# Altium PCB Transfer_V1_Pcb.PcbDoc (part 1 of 2) (continued)
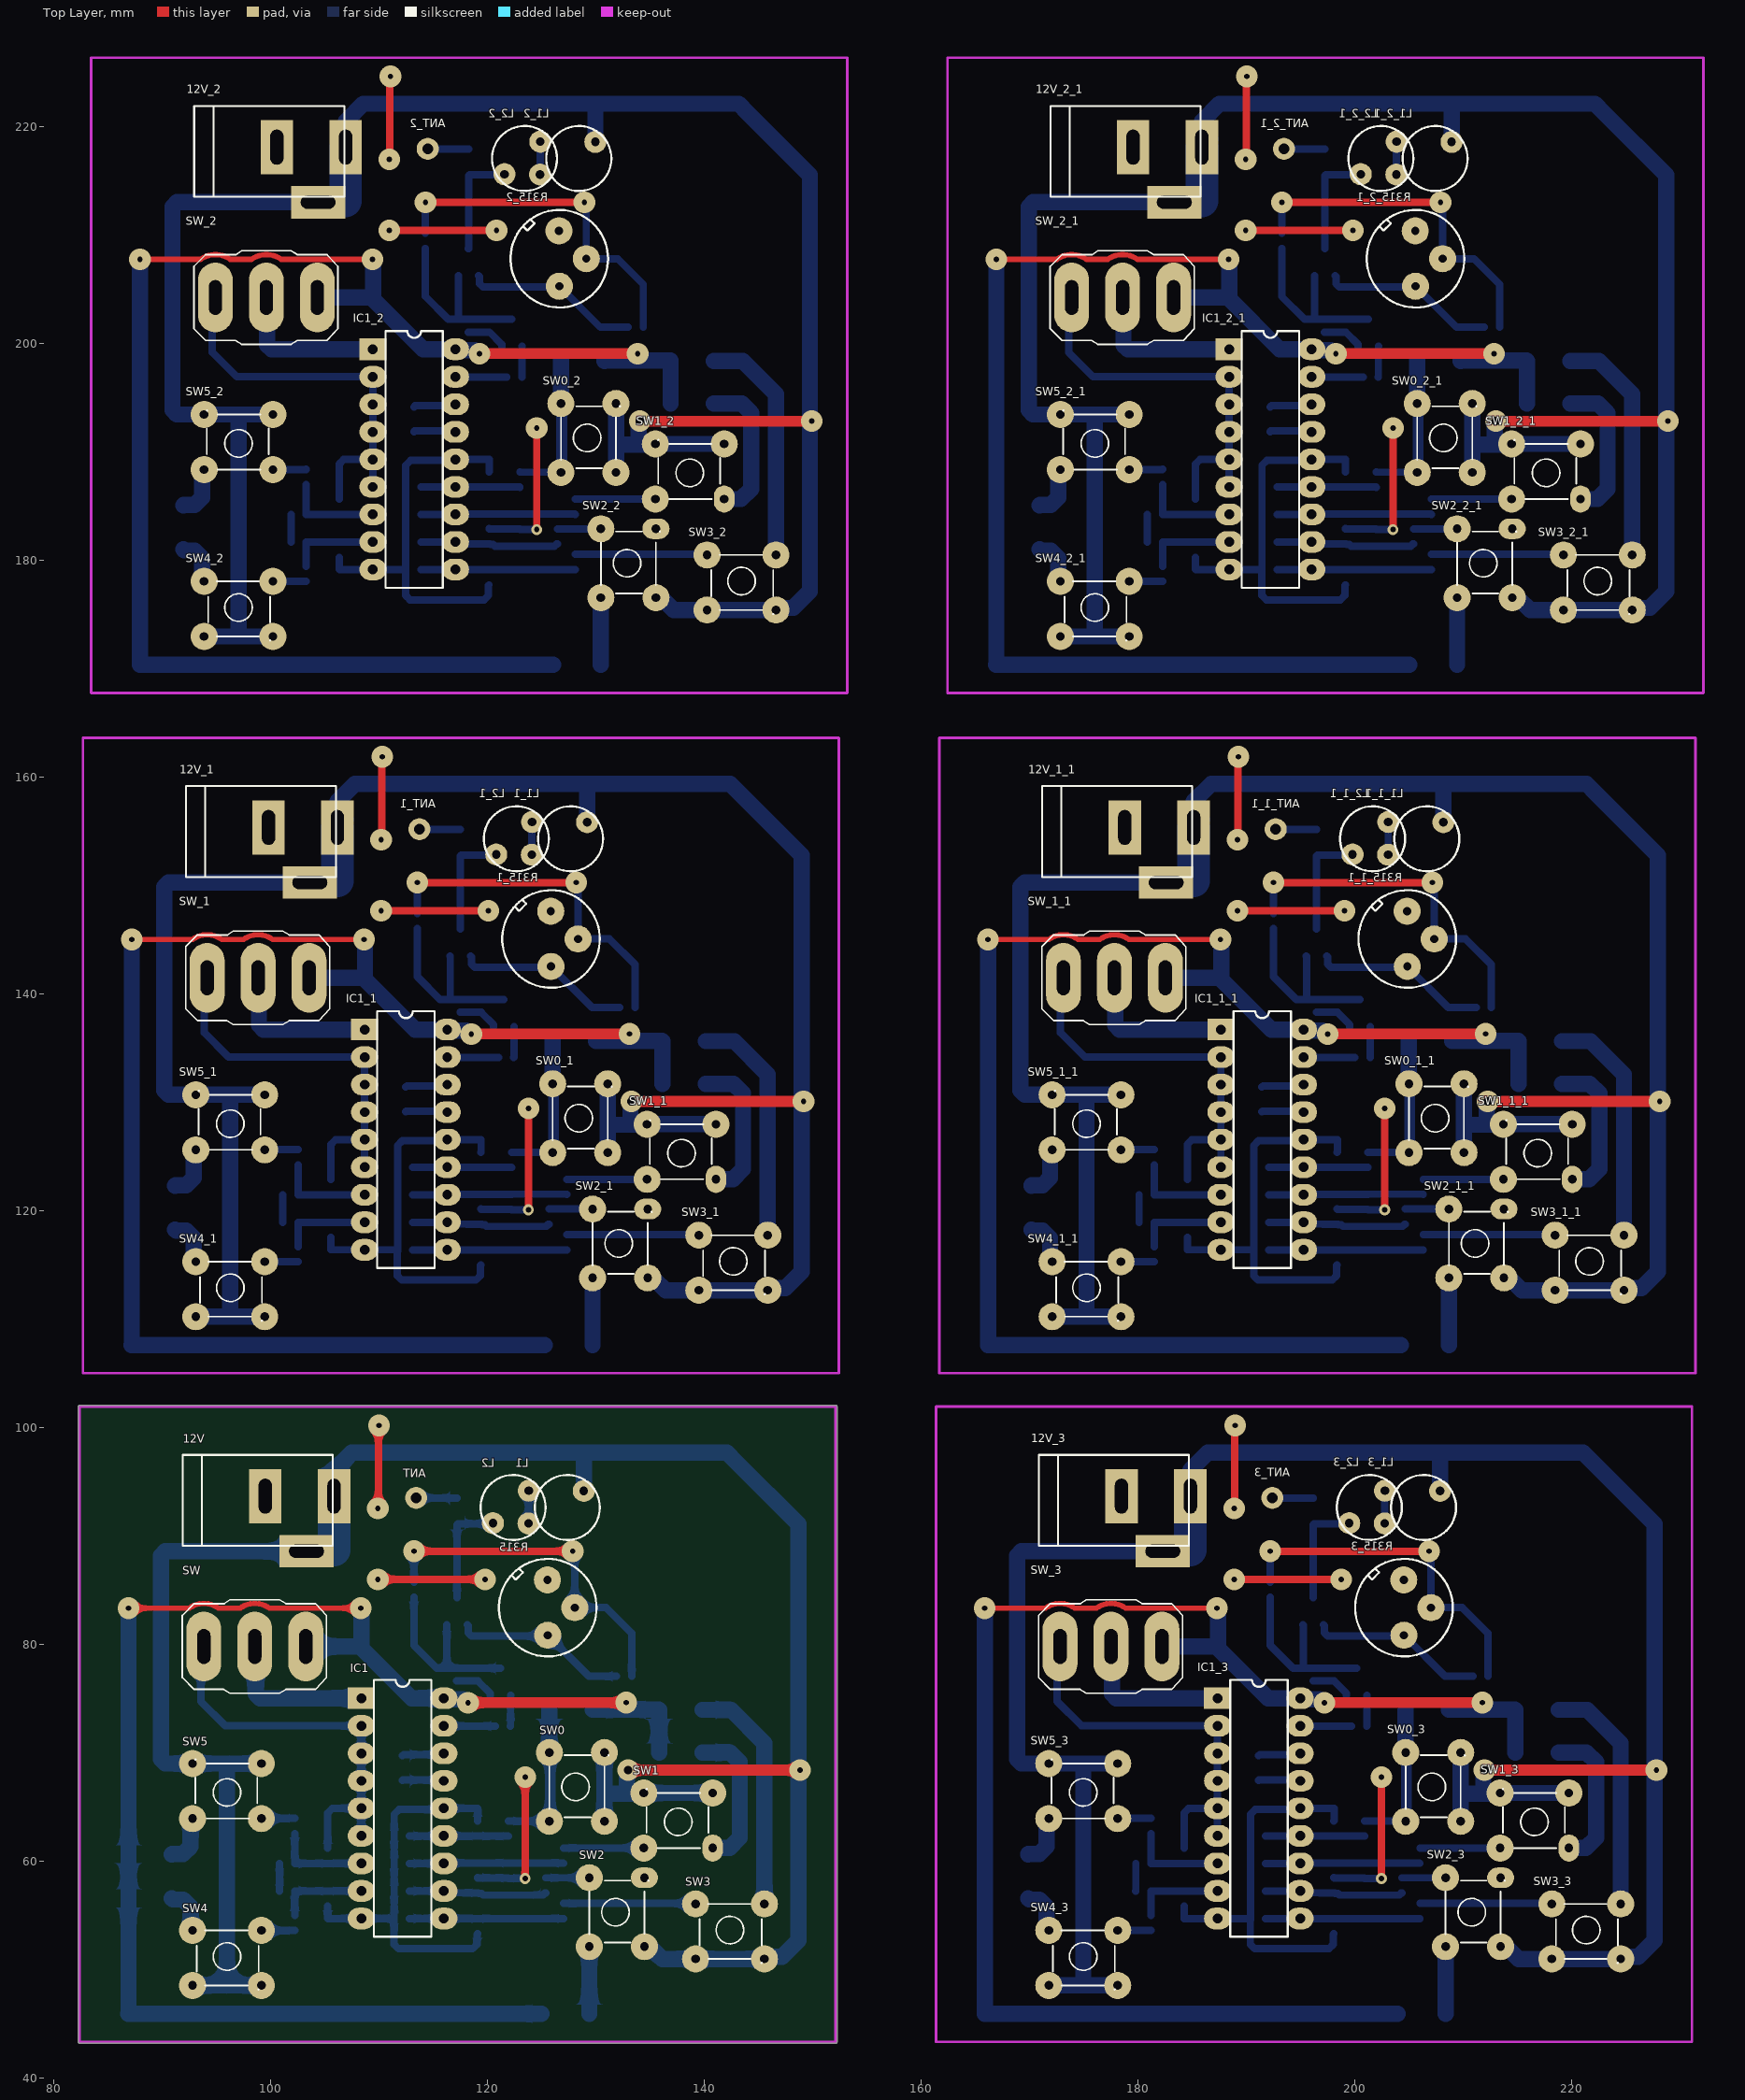
[diagram p0: Top Layer view]
## Components (designator, comment, footprint, x,y, rotation, side; value= is the part's Value field where it differs from the comment) (continued)
L1_1 "8T" L-DIP-M-5.3#1 127.686,154.305 r90 top value="150 mH" (schematic designator L1)
L1_1_1 "8T" L-DIP-M-5.3#1 206.68,154.305 r90 top value="150 mH" (schematic designator L1)
L1_2 "8T" L-DIP-M-5.3#1 128.448,217.068 r90 top value="150 mH" (schematic designator L1)
L1_2_1 "8T" L-DIP-M-5.3#1 207.442,217.068 r90 top value="150 mH" (schematic designator L1)
L1_3 "8T" L-DIP-M-5.3#1 206.375,92.608 r90 top value="150 mH" (schematic designator L1)
L2 "3T" L-DIP-M-5.3#2 122.377,92.608 r270 top value="150 mH"
L2_1 "3T" L-DIP-M-5.3#2 122.682,154.305 r270 top value="150 mH" (schematic designator L2)
L2_1_1 "3T" L-DIP-M-5.3#2 201.676,154.305 r270 top value="150 mH" (schematic designator L2)
L2_2 "3T" L-DIP-M-5.3#2 123.444,217.068 r270 top value="150 mH" (schematic designator L2)
L2_2_1 "3T" L-DIP-M-5.3#2 202.438,217.068 r270 top value="150 mH" (schematic designator L2)
L2_3 "3T" L-DIP-M-5.3#2 201.371,92.608 r270 top value="150 mH" (schematic designator L2)
Q1 "2SC3356" SOT23B 117.196,83.033 r180 bottom
Q1_1 "2SC3356" SOT23B 117.5,144.729 r180 bottom (schematic designator Q1)
Q1_1_1 "2SC3356" SOT23B 196.494,144.729 r180 bottom (schematic designator Q1)
Q1_2 "2SC3356" SOT23B 118.262,207.493 r180 bottom (schematic designator Q1)
Q1_2_1 "2SC3356" SOT23B 197.256,207.493 r180 bottom (schematic designator Q1)
Q1_3 "2SC3356" SOT23B 196.19,83.033 r180 bottom (schematic designator Q1)
Q2 "S8050" SOT23B 121.209,76.53 r180 bottom
Q2_1 "S8050" SOT23B 121.514,138.227 r180 bottom (schematic designator Q2)
Q2_1_1 "S8050" SOT23B 200.508,138.227 r180 bottom (schematic designator Q2)
Q2_2 "S8050" SOT23B 122.276,200.99 r180 bottom (schematic designator Q2)
Q2_2_1 "S8050" SOT23B 201.27,200.99 r180 bottom (schematic designator Q2)
Q2_3 "S8050" SOT23B 200.203,76.53 r180 bottom (schematic designator Q2)
R00 "27K" RES-SM-0603 133.313,77.038 r180 bottom
R00_1 "27K" RES-SM-0603 133.618,138.735 r180 bottom (schematic designator R00)
R00_1_1 "27K" RES-SM-0603 212.612,138.735 r180 bottom (schematic designator R00)
R00_2 "27K" RES-SM-0603 134.38,201.498 r180 bottom (schematic designator R00)
R00_2_1 "27K" RES-SM-0603 213.374,201.498 r180 bottom (schematic designator R00)
R00_3 "27K" RES-SM-0603 212.307,77.038 r180 bottom (schematic designator R00)
R01 "27K" RES-SM-0603 122.123,72.441 r180 bottom
R01_1 "27K" RES-SM-0603 122.428,134.137 r180 bottom (schematic designator R01)
R01_1_1 "27K" RES-SM-0603 201.422,134.137 r180 bottom (schematic designator R01)
R01_2 "27K" RES-SM-0603 123.19,196.901 r180 bottom (schematic designator R01)
R01_2_1 "27K" RES-SM-0603 202.184,196.901 r180 bottom (schematic designator R01)
R01_3 "27K" RES-SM-0603 201.117,72.441 r180 bottom (schematic designator R01)
R02 "RESISTOR SMD" RES-SM-0603 111.43,62.306 r0 bottom
R02_1 "RESISTOR SMD" RES-SM-0603 111.735,124.003 r0 bottom (schematic designator R02)
R02_1_1 "RESISTOR SMD" RES-SM-0603 190.729,124.003 r0 bottom (schematic designator R02)
R02_2 "RESISTOR SMD" RES-SM-0603 112.497,186.766 r0 bottom (schematic designator R02)
R02_2_1 "RESISTOR SMD" RES-SM-0603 191.491,186.766 r0 bottom (schematic designator R02)
R02_3 "RESISTOR SMD" RES-SM-0603 190.424,62.306 r0 bottom (schematic designator R02)
R03 "RESISTOR SMD" RES-SM-0603 111.43,59.766 r0 bottom
R03_1 "RESISTOR SMD" RES-SM-0603 111.735,121.463 r0 bottom (schematic designator R03)
R03_1_1 "RESISTOR SMD" RES-SM-0603 190.729,121.463 r0 bottom (schematic designator R03)
R03_2 "RESISTOR SMD" RES-SM-0603 112.497,184.226 r0 bottom (schematic designator R03)
R03_2_1 "RESISTOR SMD" RES-SM-0603 191.491,184.226 r0 bottom (schematic designator R03)
R03_3 "RESISTOR SMD" RES-SM-0603 190.424,59.766 r0 bottom (schematic designator R03)
R04 "RESISTOR SMD" RES-SM-0603 111.43,57.226 r0 bottom
R04_1 "RESISTOR SMD" RES-SM-0603 111.735,118.923 r0 bottom (schematic designator R04)
R04_1_1 "RESISTOR SMD" RES-SM-0603 190.729,118.923 r0 bottom (schematic designator R04)
R04_2 "RESISTOR SMD" RES-SM-0603 112.497,181.686 r0 bottom (schematic designator R04)
R04_2_1 "RESISTOR SMD" RES-SM-0603 191.491,181.686 r0 bottom (schematic designator R04)
R04_3 "RESISTOR SMD" RES-SM-0603 190.424,57.226 r0 bottom (schematic designator R04)
R05 "RESISTOR SMD" RES-SM-0603 111.43,54.686 r0 bottom
R05_1 "RESISTOR SMD" RES-SM-0603 111.735,116.383 r0 bottom (schematic designator R05)
R05_1_1 "RESISTOR SMD" RES-SM-0603 190.729,116.383 r0 bottom (schematic designator R05)
R05_2 "RESISTOR SMD" RES-SM-0603 112.497,179.146 r0 bottom (schematic designator R05)
R05_2_1 "RESISTOR SMD" RES-SM-0603 191.491,179.146 r0 bottom (schematic designator R05)
R05_3 "RESISTOR SMD" RES-SM-0603 190.424,54.686 r0 bottom (schematic designator R05)
R06 "RESISTOR SMD" RES-SM-0603 100.849,57.226 r0 bottom
R06_1 "RESISTOR SMD" RES-SM-0603 101.154,118.923 r0 bottom (schematic designator R06)
R06_1_1 "RESISTOR SMD" RES-SM-0603 180.148,118.923 r0 bottom (schematic designator R06)
R06_2 "RESISTOR SMD" RES-SM-0603 101.916,181.686 r0 bottom (schematic designator R06)
R06_2_1 "RESISTOR SMD" RES-SM-0603 180.91,181.686 r0 bottom (schematic designator R06)
R06_3 "RESISTOR SMD" RES-SM-0603 179.843,57.226 r0 bottom (schematic designator R06)
R07 "RESISTOR SMD" RES-SM-0603 100.849,59.766 r0 bottom
R07_1 "RESISTOR SMD" RES-SM-0603 101.154,121.463 r0 bottom (schematic designator R07)
R07_1_1 "RESISTOR SMD" RES-SM-0603 180.148,121.463 r0 bottom (schematic designator R07)
R07_2 "RESISTOR SMD" RES-SM-0603 101.916,184.226 r0 bottom (schematic designator R07)
R07_2_1 "RESISTOR SMD" RES-SM-0603 180.91,184.226 r0 bottom (schematic designator R07)
R07_3 "RESISTOR SMD" RES-SM-0603 179.843,59.766 r0 bottom (schematic designator R07)
R08 "RESISTOR SMD" RES-SM-0603 121.945,62.292 r90 bottom value=2.7K
R08_1 "RESISTOR SMD" RES-SM-0603 122.25,123.989 r90 bottom value=2.7K (schematic designator R08)
R08_1_1 "RESISTOR SMD" RES-SM-0603 201.244,123.989 r90 bottom value=2.7K (schematic designator R08)
R08_2 "RESISTOR SMD" RES-SM-0603 123.012,186.752 r90 bottom value=2.7K (schematic designator R08)
R08_2_1 "RESISTOR SMD" RES-SM-0603 202.006,186.752 r90 bottom value=2.7K (schematic designator R08)
R08_3 "RESISTOR SMD" RES-SM-0603 200.939,62.292 r90 bottom value=2.7K (schematic designator R08)
R09 "RESISTOR SMD" RES-SM-0603 127.051,59.792 r90 bottom value=2.7K
R09_1 "RESISTOR SMD" RES-SM-0603 127.356,121.488 r90 bottom value=2.7K (schematic designator R09)
R09_1_1 "RESISTOR SMD" RES-SM-0603 206.35,121.488 r90 bottom value=2.7K (schematic designator R09)
R09_2 "RESISTOR SMD" RES-SM-0603 128.118,184.252 r90 bottom value=2.7K (schematic designator R09)
R09_2_1 "RESISTOR SMD" RES-SM-0603 207.112,184.252 r90 bottom value=2.7K (schematic designator R09)
R09_3 "RESISTOR SMD" RES-SM-0603 206.045,59.792 r90 bottom value=2.7K (schematic designator R09)
R10 "RESISTOR SMD" RES-SM-0603 125.4,57.048 r90 bottom value=2.7K
R10_1 "RESISTOR SMD" RES-SM-0603 125.705,118.745 r90 bottom value=2.7K (schematic designator R10)
R10_1_1 "RESISTOR SMD" RES-SM-0603 204.699,118.745 r90 bottom value=2.7K (schematic designator R10)
R10_2 "RESISTOR SMD" RES-SM-0603 126.467,181.508 r90 bottom value=2.7K (schematic designator R10)
R10_2_1 "RESISTOR SMD" RES-SM-0603 205.461,181.508 r90 bottom value=2.7K (schematic designator R10)
R10_3 "RESISTOR SMD" RES-SM-0603 204.394,57.048 r90 bottom value=2.7K (schematic designator R10)
R11 "RESISTOR SMD" RES-SM-0603 127.051,54.697 r90 bottom value=2.7K
R11_1 "RESISTOR SMD" RES-SM-0603 127.356,116.394 r90 bottom value=2.7K (schematic designator R11)
R11_1_1 "RESISTOR SMD" RES-SM-0603 206.35,116.394 r90 bottom value=2.7K (schematic designator R11)
R11_2 "RESISTOR SMD" RES-SM-0603 128.118,179.157 r90 bottom value=2.7K (schematic designator R11)
R11_2_1 "RESISTOR SMD" RES-SM-0603 207.112,179.157 r90 bottom value=2.7K (schematic designator R11)
R11_3 "RESISTOR SMD" RES-SM-0603 206.045,54.697 r90 bottom value=2.7K (schematic designator R11)
R12 "RESISTOR SMD" RES-SM-0603 102.235,54.966 r270 bottom
R12_1 "RESISTOR SMD" RES-SM-0603 102.54,116.662 r270 bottom (schematic designator R12)
R12_1_1 "RESISTOR SMD" RES-SM-0603 181.534,116.662 r270 bottom (schematic designator R12)
R12_2 "RESISTOR SMD" RES-SM-0603 103.302,179.426 r270 bottom (schematic designator R12)
R12_2_1 "RESISTOR SMD" RES-SM-0603 182.296,179.426 r270 bottom (schematic designator R12)
R12_3 "RESISTOR SMD" RES-SM-0603 181.229,54.966 r270 bottom (schematic designator R12)
R13 "RESISTOR SMD" RES-SM-0603 102.235,62.546 r90 bottom
R13_1 "RESISTOR SMD" RES-SM-0603 102.54,124.243 r90 bottom (schematic designator R13)
R13_1_1 "RESISTOR SMD" RES-SM-0603 181.534,124.243 r90 bottom (schematic designator R13)
R13_2 "RESISTOR SMD" RES-SM-0603 103.302,187.006 r90 bottom (schematic designator R13)
R13_2_1 "RESISTOR SMD" RES-SM-0603 182.296,187.006 r90 bottom (schematic designator R13)
R13_3 "RESISTOR SMD" RES-SM-0603 181.229,62.546 r90 bottom (schematic designator R13)
R14 "RESISTOR SMD" RES-SM-0805 112.166,67.412 r90 bottom value=3.3M
R14_1 "RESISTOR SMD" RES-SM-0805 112.471,129.108 r90 bottom value=3.3M (schematic designator R14)
R14_1_1 "RESISTOR SMD" RES-SM-0805 191.465,129.108 r90 bottom value=3.3M (schematic designator R14)
R14_2 "RESISTOR SMD" RES-SM-0805 113.233,191.872 r90 bottom value=3.3M (schematic designator R14)
R14_2_1 "RESISTOR SMD" RES-SM-0805 192.227,191.872 r90 bottom value=3.3M (schematic designator R14)
R14_3 "RESISTOR SMD" RES-SM-0805 191.16,67.412 r90 bottom value=3.3M (schematic designator R14)
R315 "BXR513A" BXR315A 125.552,83.388 r270 top
R315_1 "BXR513A" BXR315A 125.857,145.085 r270 top (schematic designator R315)
R315_1_1 "BXR513A" BXR315A 204.851,145.085 r270 top (schematic designator R315)
R315_2 "BXR513A" BXR315A 126.619,207.848 r270 top (schematic designator R315)
R315_2_1 "BXR513A" BXR315A 205.613,207.848 r270 top (schematic designator R315)
R315_3 "BXR513A" BXR315A 204.546,83.388 r270 top (schematic designator R315)
SW "MTS-102" MTS-102 98.553,79.781 r270 top
SW0 "SW" SW2-DIP#1 125.73,63.652 r90 top value="Button chip 4 pin"
SW0_1 "SW" SW2-DIP#1 126.035,125.349 r90 top value="Button chip 4 pin" (schematic designator SW0)
SW0_1_1 "SW" SW2-DIP#1 205.029,125.349 r90 top value="Button chip 4 pin" (schematic designator SW0)
SW0_2 "SW" SW2-DIP#1 126.797,188.112 r90 top value="Button chip 4 pin" (schematic designator SW0)
SW0_2_1 "SW" SW2-DIP#1 205.791,188.112 r90 top value="Button chip 4 pin" (schematic designator SW0)
SW0_3 "SW" SW2-DIP#1 204.724,63.652 r90 top value="Button chip 4 pin" (schematic designator SW0)
SW1 "SW" SW2-DIP#2 140.792,61.189 r180 top value="Button chip 4 pin"
SW1_1 "SW" SW2-DIP#2 141.097,122.885 r180 top value="Button chip 4 pin" (schematic designator SW1)
SW1_1_1 "SW" SW2-DIP#2 220.091,122.885 r180 top value="Button chip 4 pin" (schematic designator SW1)
SW1_2 "SW" SW2-DIP#2 141.859,185.649 r180 top value="Button chip 4 pin" (schematic designator SW1)
SW1_2_1 "SW" SW2-DIP#2 220.853,185.649 r180 top value="Button chip 4 pin" (schematic designator SW1)
SW1_3 "SW" SW2-DIP#2 219.786,61.189 r180 top value="Button chip 4 pin" (schematic designator SW1)
SW2 "SW" SW2-DIP#3 129.413,52.095 r90 top value="Button chip 4 pin"
SW2_1 "SW" SW2-DIP#3 129.718,113.792 r90 top value="Button chip 4 pin" (schematic designator SW2)
SW2_1_1 "SW" SW2-DIP#3 208.712,113.792 r90 top value="Button chip 4 pin" (schematic designator SW2)
SW2_2 "SW" SW2-DIP#3 130.48,176.555 r90 top value="Button chip 4 pin" (schematic designator SW2)
SW2_2_1 "SW" SW2-DIP#3 209.474,176.555 r90 top value="Button chip 4 pin" (schematic designator SW2)
SW2_3 "SW" SW2-DIP#3 208.407,52.095 r90 top value="Button chip 4 pin" (schematic designator SW2)
SW3 "SW" SW2-DIP#1 139.217,56.032 r0 top value="Button chip 4 pin"
SW3_1 "SW" SW2-DIP#1 139.522,117.729 r0 top value="Button chip 4 pin" (schematic designator SW3)
SW3_1_1 "SW" SW2-DIP#1 218.516,117.729 r0 top value="Button chip 4 pin" (schematic designator SW3)
SW3_2 "SW" SW2-DIP#1 140.284,180.492 r0 top value="Button chip 4 pin" (schematic designator SW3)
SW3_2_1 "SW" SW2-DIP#1 219.278,180.492 r0 top value="Button chip 4 pin" (schematic designator SW3)
SW3_3 "SW" SW2-DIP#1 218.211,56.032 r0 top value="Button chip 4 pin" (schematic designator SW3)
SW4 "SW" SW2-DIP#1 92.812,53.594 r0 top value="Button chip 4 pin"
SW4_1 "SW" SW2-DIP#1 93.116,115.291 r0 top value="Button chip 4 pin" (schematic designator SW4)
SW4_1_1 "SW" SW2-DIP#1 172.11,115.291 r0 top value="Button chip 4 pin" (schematic designator SW4)
SW4_2 "SW" SW2-DIP#1 93.878,178.054 r0 top value="Button chip 4 pin" (schematic designator SW4)
SW4_2_1 "SW" SW2-DIP#1 172.872,178.054 r0 top value="Button chip 4 pin" (schematic designator SW4)
SW4_3 "SW" SW2-DIP#1 171.806,53.594 r0 top value="Button chip 4 pin" (schematic designator SW4)
SW5 "SW" SW2-DIP#1 99.162,63.906 r180 top value="Button chip 4 pin"
SW5_1 "SW" SW2-DIP#1 99.466,125.603 r180 top value="Button chip 4 pin" (schematic designator SW5)
SW5_1_1 "SW" SW2-DIP#1 178.46,125.603 r180 top value="Button chip 4 pin" (schematic designator SW5)
SW5_2 "SW" SW2-DIP#1 100.228,188.366 r180 top value="Button chip 4 pin" (schematic designator SW5)
SW5_2_1 "SW" SW2-DIP#1 179.222,188.366 r180 top value="Button chip 4 pin" (schematic designator SW5)
SW5_3 "SW" SW2-DIP#1 178.156,63.906 r180 top value="Button chip 4 pin" (schematic designator SW5)
SW_1 "MTS-102" MTS-102 98.858,141.478 r270 top (schematic designator SW)
SW_1_1 "MTS-102" MTS-102 177.852,141.478 r270 top (schematic designator SW)
SW_2 "MTS-102" MTS-102 99.62,204.241 r270 top (schematic designator SW)
SW_2_1 "MTS-102" MTS-102 178.614,204.241 r270 top (schematic designator SW)
SW_3 "MTS-102" MTS-102 177.547,79.781 r270 top (schematic designator SW)

## Footprints (in the part's own frame and the unit in brackets; to place one, negate y for a bottom-side part, rotate by r counter-clockwise, add the part's x,y. Pads: shape width x height; smd on the part's side, far side on the other; paste and mask are expansions set on the pad)
BXR315A [mil] "Xtal for RF"
  round 98.43 hole 30: 1(-100,0) 2(1,99) 3(101,1)
  silkscreen extent -176,-176 178,178, body extent -179,-179 179,179, height 187
CAP-SM-0603 [mm] "SMD Ceramic Capacitor Size 0603"
  rect 0.8x0.95 smd: 1(-0.7,0) 2(0.7,0)
  body extent -0.85,-0.45 0.85,0.45, height 0.6
CAP-SM-0805 [mil]
  rect 50x55 smd: 1(0,0) 2(90,0)
  silkscreen extent -32,-34 121,33, body extent 6,-25 84,25, height 31
"DIODE SMA" [mm] "SMA"
  rect 2.5x1.7 smd: 1(-2,0) 2(2,0)
  silkscreen extent -3.68,-1.65 3.75,1.65, body extent -2.6,-1.37 2.6,1.37, height 2.4
DIP18 [mm] "DIP; 18 Leads; Row Spacing 7.62 mm; Pitch 2.54 mm"
  rect 2x2.5 hole 0.9: 1(-10.16,-3.81)
  oval 2x2.5 hole 0.9: 2(-7.62,-3.81) 3(-5.08,-3.81) 4(-2.54,-3.81) 5(0,-3.81) 6(2.54,-3.81) 7(5.08,-3.81) 8(7.62,-3.81) 9(10.16,-3.81) 10(10.16,3.81) 11(7.62,3.81) 12(5.08,3.81) 13(2.54,3.81) 14(0,3.81) 15(-2.54,3.81) 16(-5.08,3.81) 17(-7.62,3.81) 18(-10.16,3.81)
  silkscreen extent -11.85,-2.65 11.85,2.65, body extent -11.49,-4.06 11.5,3.81, height 5.08
"JACK DC 5.5" [mm] "Jac DC input"
  rect 3x5 hole 1.2 slot 3.2 at 90 deg: 1(3.175,2.54) 2(-3.175,2.54)
  rect 5x3 hole 1.2 slot 3.2 at 0 deg: 3(0.635,-2.54)
  silkscreen extent -10.79,-2.03 3.05,6.35, body extent -10.42,-2.67 3.4,6.84, height 11.02
L-DIP-M-5.3#1 [mil] "THT Inductor, 2-Leads, Body 5.3  mm"
  round 80 hole 31.5: 1(60.08,-60) 2(-57.99,140.8)
  silkscreen extent -118,-118 118,118, body extent -97,-97 96,96, height 299
L-DIP-M-5.3#2 [mil] "THT Inductor, 2-Leads, Body 5.3  mm"
  round 80 hole 31.5: 1(-61,57) 2(57.1,-72.94)
  silkscreen extent -118,-118 118,118, body extent -97,-97 96,96, height 299
MTS-102 [mm]
  oval 6.432x3.216 hole 1.2 slot 3.2 at 0 deg: 1(0,4.7) 2(0,0) 3(0,-4.7)
  silkscreen extent -4.32,-6.68 4.32,6.6, body extent -6,-6.79 6,6.6, height 30.13
RES-SM-0603 [mm]
  rect 0.8x0.95 smd: 1(-0.014,0) 2(1.386,0)
  silkscreen extent -0.64,-0.76 2.03,0.76, body extent -0.11,-0.4 1.49,0.4, height 0.3
RES-SM-0805 [mil]
  rect 50x55 smd: 1(0,0) 2(90,0)
  silkscreen extent -32,-34 121,33, body extent 6,-25 84,25, height 31
SOT23B [mm] "SOT 23B"
  rect 0.85x1.2 smd: 1(0.94,-1.245) 2(0,1.25) 3(-0.95,-1.25)
  silkscreen extent 0.77,-0.38 1.02,-0.13, body extent -1.5,-1.3 1.5,1.2, height 1.06
SW2-DIP#1 [mm] "SW button 4pin, 250 x250 mil"
  round 2.5 hole 0.8: 1(0,0) 2(0,-5.08) 3(6.35,-5.08) 4(6.35,0)
  silkscreen extent 0.38,-5.46 6.1,0, body extent -0.9,-5.59 7,0.61, height 7
SW2-DIP#2 [mm] "SW button 4pin, 250 x250 mil"
  oval 1.9x2.5 hole 0.8: 1(0,0)
  round 2.5 hole 0.8: 2(0,-5.08) 3(6.35,-5.08) 4(6.35,0)
  silkscreen extent 0.38,-5.46 6.1,0, body extent -0.9,-5.59 7,0.61, height 7
SW2-DIP#3 [mm] "SW button 4pin, 250 x250 mil"
  round 2.5 hole 0.8: 1(0,0) 2(0,-5.08) 4(6.35,0)
  oval 1.9x2.5 hole 0.8: 3(6.35,-5.08)
  silkscreen extent 0.38,-5.46 6.1,0, body extent -0.9,-5.59 7,0.61, height 7
TP [mil] "Connect 1"
  round 80 hole 39: TP1(0,0)
  body extent -50,-50 50,50, height 235

## Part data
C00 C00_1 C00_1_1 C00_2 C00_2_1 C00_3 C01 C01_1 C01_1_1 C01_2 C01_2_1 C01_3 C02 C02_1 C02_1_1 C02_2 C02_2_1 C02_3 C03 C03_1 C03_1_1 C03_2 C03_2_1 C03_3 C04 C04_1 C04_1_1 C04_2 C04_2_1 C04_3 C05 C05_1 C05_1_1 C05_2 C05_2_1 C05_3 C06 C06_1 C06_1_1 C06_2 C06_2_1 C06_3 C07 C07_1 C07_1_1 C07_2 C07_2_1 C07_3: "Capacitor"
D00 D00_1 D00_1_1 D00_2 D00_2_1 D00_3 D01 D01_1 D01_1_1 D01_2 D01_2_1 D01_3 D02 D02_1 D02_1_1 D02_2 D02_2_1 D02_3 D03 D03_1 D03_1_1 D03_2 D03_2_1 D03_3 D05 D05_1 D05_1_1 D05_2 D05_2_1 D05_3 D06 D06_1 D06_1_1 D06_2 D06_2_1 D06_3: library part "Diode M7 ( 4007 )", "Dán", Chung_Loai=Dán, Don_Vi=Con, Ma_Hang=MH000944, Ten_Linh_Kien="Diode M7 1N4007 SMD 1A 1000V"
IC1 IC1_1 IC1_1_1 IC1_2 IC1_2_1 IC1_3: "Remote Control Encoder"
L1 L1_1 L1_1_1 L1_2 L1_2_1 L1_3 L2 L2_1 L2_1_1 L2_2 L2_2_1 L2_3: library part L-DIP-1, "Inductor"
Q1 Q1_1 Q1_1_1 Q1_2 Q1_2_1 Q1_3 Q2 Q2_1 Q2_1_1 Q2_2 Q2_2_1 Q2_3: library part C1815, "NPN Bipolar Transistor"
R00 R00_1 R00_1_1 R00_2 R00_2_1 R00_3 R01 R01_1 R01_1_1 R01_2 R01_2_1 R01_3: library part "RESISTOR SMD", "Resistor"
R02 R02_1 R02_1_1 R02_2 R02_2_1 R02_3 R03 R03_1 R03_1_1 R03_2 R03_2_1 R03_3 R04 R04_1 R04_1_1 R04_2 R04_2_1 R04_3 R05 R05_1 R05_1_1 R05_2 R05_2_1 R05_3 R06 R06_1 R06_1_1 R06_2 R06_2_1 R06_3 R07 R07_1 R07_1_1 R07_2 R07_2_1 R07_3 R08 R08_1 R08_1_1 R08_2 R08_2_1 R08_3 R09 R09_1 R09_1_1 R09_2 R09_2_1 R09_3 R10 R10_1 R10_1_1 R10_2 R10_2_1 R10_3 R11 R11_1 R11_1_1 R11_2 R11_2_1 R11_3 R12 R12_1 R12_1_1 R12_2 R12_2_1 R12_3 R13 R13_1 R13_1_1 R13_2 R13_2_1 R13_3 R14 R14_1 R14_1_1 R14_2 R14_2_1 R14_3: "Resistor"
R315 R315_1 R315_1_1 R315_2 R315_2_1 R315_3: library part BXR315A, "Xtal For RF"
SW SW_1 SW_1_1 SW_2 SW_2_1 SW_3: "Rectangular Cable Assemblies .100 Mini Mate Single Row Discrete Wire Cable Assembly, Terminal", Package=None, Availability=Unavailable, Check_prices=https://www.snapeda.com/parts/MTS102/Motorola/view-part/698799/?ref=eda, MF=Motorola, MP=MTS102, Price=None, SnapEDA_Link=https://www.snapeda.com/parts/MTS102/Motorola/view-part/698799/?ref=snap
SW0 SW0_1 SW0_1_1 SW0_2 SW0_2_1 SW0_3 SW1 SW1_1 SW1_1_1 SW1_2 SW1_2_1 SW1_3 SW2 SW2_1 SW2_1_1 SW2_2 SW2_2_1 SW2_3 SW3 SW3_1 SW3_1_1 SW3_2 SW3_2_1 SW3_3 SW4 SW4_1 SW4_1_1 SW4_2 SW4_2_1 SW4_3 SW5 SW5_1 SW5_1_1 SW5_2 SW5_2_1 SW5_3: library part SW4, "Switch button 4 pin"

## Via types
v1: diameter 2, hole 0.5, Top Layer to Bottom Layer, 72 vias
v2: diameter 2, hole 0.8, Top Layer to Bottom Layer, 6 vias
v3: diameter 1, hole 0.5, Top Layer to Bottom Layer, 6 vias

## Nets (pads, with @x,y where several pads share a name; then routed paths per layer and width w, separated by ;. In a path a pad name is that pad's centre, name@x,y a point inside that pad or via, vN(x,y) a via of type N, cw(c..) or ccw(c..) an arc to the next point about the centre after c; other vN are vias at no path point)
12V: 12V.1 12V.3 L1.1 SW0.2 SW0.3 SW1.2 SW1.3 SW2.2 SW3.2 SW3.3 SW4.2 SW4.3 SW5.2 SW5.3 | length 216.4
  Top Layer w1: v2(132.994,68.377) v1(148.869,68.377)
  Bottom Layer w0.686: 128.905,97.612 128.956,97.663
  Bottom Layer w1.5: SW4.2@92.812,48.514 95.987,48.514 ; SW4.3@99.162,48.514 95.987,48.514 ; SW5.2@99.162,68.986 96.241,68.986 ; 105.867,88.697 103.454,88.697 12V.3@103.327,88.57 90.292,88.57 89.891,88.168 89.891,69.388 90.292,68.986 SW5.3@92.812,68.986 96.241,68.986 ; 12V.1@105.893,93.675 12V.1@106.617,94.4 ; 12V.1@105.893,94.4 105.893,96.06 107.496,97.663 128.956,97.663 142.116,97.663 142.995,96.784 148.692,91.087 148.692,68.377 148.692,52.654 147.181,51.144 145.759,51.144 SW3.3@145.567,50.952 ; L1.1@128.905,94.134 128.905,97.612 ; SW0.2@130.81,63.652 SW0.3@130.81,70.002 ; 130.886,66.218 132.639,66.218 ; v2(132.994,68.377) 132.899,68.281 132.899,66.478 132.639,66.218 ; SW2.2@134.493,52.095 134.595,51.994 135.103,51.994 136.144,50.952 SW3.2@139.217,50.952 SW3.3@144.882,50.952 ; SW1.2@140.884,66.177 SW1.2@140.792,66.269 SW1.3@134.442,66.269 134.391,66.218 132.639,66.218 ; 95.987,48.514 95.987,68.732 96.241,68.986
  Bottom Layer w3: 105.867,88.697 12V.1@105.867,93.65
GND: 12V.2 C02.1 C03.1 C04.1 C05.1 C06.1 C07.1 IC1.2 IC1.3 IC1.4 IC1.5 IC1.6 IC1.9 IC1.14 Q2.1 R02.1 R03.1 R04.1 R05.1 R06.1 R07.1 R315.1 SW.3 | length 112.2
  Top Layer w0.686: v1(109.906,85.979) v1(119.786,85.979) ; v1(109.906,92.532) 109.957,92.583 109.957,100.127 v1(110.007,100.178) ; v3(123.495,58.374) v1(123.495,67.742)
  Bottom Layer w0.686: SW.3@93.852,79.375 93.574,79.097 93.574,74.727 95.834,72.466 IC1.2@108.382,72.466 IC1.3@108.382,69.926 IC1.4@108.382,67.386 IC1.5@108.382,64.846 ; R06.1@100.835,57.226 100.838,57.229 R07.1@100.838,59.766 ; C06.1@105.283,55.815 105.283,54.712 105.308,54.686 IC1.9@108.382,54.686 R05.1@111.416,54.686 ; C07.1@105.283,61.177 105.283,64.419 105.685,64.821 ; 105.685,64.846 IC1.5@108.382,64.846 ; IC1.6@108.382,62.306 108.382,64.787 108.441,64.846 IC1.5@108.382,64.846 ; 117.187,76.594 119.135,76.594 120.269,75.461 Q2.1@120.269,75.286 ; C05.1@119.101,53.275 119.05,53.224 119.05,52.294 118.648,51.892 111.806,51.892 111.404,52.294 111.404,54.554 111.416,54.565 R05.1@111.416,54.686 ; C04.1@119.101,58.46 119.128,58.433 121.918,58.433 121.961,58.39 123.479,58.39 v3(123.495,58.374) ; C02.1@119.101,63.692 119.126,63.717 119.126,64.846 IC1.14@116.002,64.846 115.418,64.846 115.367,64.795 115.367,64.786 115.326,64.745 111.857,64.745 111.416,64.303 R02.1@111.416,62.306 R03.1@111.416,59.766 R04.1@111.416,57.226 R05.1@111.416,54.686
NetANT_TP1: ANT.TP1 C00.2 | length 3.8
  Bottom Layer w0.686: ANT.TP1@113.436,93.497 113.449,93.485 117.208,93.485 C00.2@117.221,93.472
NetC00_1: C00.1 L2.2 Q1.2 | length 10.1
  Bottom Layer w0.686: Q1.2@117.196,84.283 117.208,84.295 117.208,91.021 117.297,91.11 120.476,91.11 L2.2@120.525,91.158
NetC01_1: C01.1 L1.2 L2.1 R00.1 R315.2 | length 35.8
  Top Layer w0.686: v1(113.233,88.57) v1(127.889,88.57)
  Bottom Layer w0.686: C01.1@113.233,85.714 v1(113.233,88.57) ; L1.2@123.805,91.135 123.815,91.146 123.815,94.148 L2.1@123.825,94.158 ; v1@128.067,88.372 R315.2@128.067,83.363 130.962,83.363 133.328,80.998 R00.1@133.328,77.038
NetC01_2: C01.2 Q1.1 Q2.2 | length 17.3
  Bottom Layer w0.686: C01.2@113.233,84.314 113.233,79.883 115.336,77.78 116.281,77.78 ; Q1.1@116.256,81.788 116.281,81.763 116.281,77.78 ; Q2.2@121.209,77.78 116.281,77.78
NetD00_1: D00.1 R08.2 SW0.1 SW0.4 | length 14.1
  Bottom Layer w0.686: R08.2@121.945,63.678 121.958,63.665 125.717,63.665 SW0.1@125.73,63.652 SW0.1@125.806,63.729 ; SW0.4@125.73,70.002 SW0.4@125.806,69.926 ; D00.1@125.73,73.933 D00.1@125.737,73.939
  Bottom Layer w1: SW0.1@125.806,63.729 SW0.4@125.806,69.926
  Bottom Layer w1.5: SW0.4@125.73,70.002 D00.1@125.73,73.933
NetD01_1: D01.1 SW1.1 | length 13.7
  Bottom Layer w1.5: D01.1@139.846,70 142.414,70 143.292,69.121 143.292,62.129 142.352,61.189 SW1.1@140.792,61.189
NetD02_1: D02.1 SW2.1 | length 6.2
  Bottom Layer w1.5: D02.1@129.413,45.898 SW2.1@129.413,52.095
NetD03_1: D03.1 SW3.4 | length 21.8
  Bottom Layer w1.5: D03.1@139.846,73.939 142.494,73.939 145.567,70.866 SW3.4@145.567,56.032
NetD05_1: D05.1 SW4.1 | length 4.3
  Bottom Layer w1.5: D05.1@90.9,56.54 91,56.44 91.933,56.44 92.62,55.753 92.62,53.785 SW4.1@92.812,53.594
NetD06_1: D06.1 SW5.4 | length 4.7
  Bottom Layer w1.5: D06.1@90.9,60.604 90.925,60.63 91.933,60.63 92.62,61.317 92.62,63.715 SW5.4@92.812,63.906
NetIC1_1: IC1.1 SW.2 | length 13.9
  Bottom Layer w1.5: SW.2@98.552,79.375 98.628,79.299 98.628,75.408 99.03,75.006 IC1.1@108.382,75.006
NetIC1_15: IC1.15 R14.1 | length 3.9
  Bottom Layer w0.686: R14.1@112.166,67.412 112.217,67.462 115.926,67.462 IC1.15@116.002,67.386
NetIC1_16: IC1.16 R14.2 | length 3.9
  Bottom Layer w0.686: R14.2@112.166,69.698 112.281,69.812 115.887,69.812 IC1.16@116.002,69.926
NetIC1_17: IC1.17 R01.2 | length 4.7
  Bottom Layer w0.686: IC1.17@116.002,72.466 116.027,72.441 R01.2@120.737,72.441
NetQ1_3: Q1.3 R00.2 R315.3 | length 16.2
  Bottom Layer w0.686: Q1.3@118.146,81.783 118.228,81.7 118.228,81.056 118.537,80.747 125.501,80.747 R315.3@125.578,80.823 129.362,77.038 R00.2@131.928,77.038
NetQ2_3: Q2.3 R01.1 | length 2.8
  Bottom Layer w0.686: R01.1@122.137,72.441 122.148,72.452 122.148,75.269 Q2.3@122.159,75.28
NetR09_2: R09.2 SW1.4 | length 7.4
  Bottom Layer w0.686: R09.2@127.051,61.177 127.056,61.183 134.437,61.183 SW1.4@134.442,61.189
NetR10_2: R10.2 SW2.4 | length 4
  Bottom Layer w0.686: R10.2@125.4,58.441 129.409,58.441 SW2.4@129.413,58.445
NetR11_2: R11.2 SW3.1 | length 11.5
  Bottom Layer w0.686: R11.2@127.051,56.083 138.481,56.083 SW3.1@138.532,56.032
NetR12_2: R12.2 SW4.4 | length 3.1
  Bottom Layer w0.686: SW4.4@99.162,53.594 99.169,53.587 102.228,53.587 R12.2@102.235,53.58
NetR13_2: R13.2 SW5.1 | length 3.1
  Bottom Layer w0.686: SW5.1@99.162,63.906 99.162,63.957 99.2,63.919 102.222,63.919 R13.2@102.235,63.932
OUT0: C02.2 IC1.13 R02.2 R08.1 | length 9.1
  Bottom Layer w0.686: R02.2@112.816,62.306 112.83,62.292 C02.2@119.101,62.292 121.931,62.292 R08.1@121.945,62.278
OUT1: C03.2 IC1.12 R03.2 R09.1 | length 14.3
  Bottom Layer w0.686: R03.2@112.816,59.766 IC1.12@116.002,59.766 ; IC1.12@116.002,59.806 C03.2@121.945,59.806 121.957,59.817 127.011,59.817 R09.1@127.051,59.777
OUT2: C04.2 IC1.11 R04.2 R10.1 | length 12.8
  Bottom Layer w0.686: R04.2@112.816,57.226 IC1.11@116.002,57.226 116.484,57.226 116.651,57.06 117.537,57.06 117.819,57.051 117.864,57.049 117.875,57.049 118.968,57.049 C04.2@119.101,57.06 119.176,57.06 119.233,57.002 119.477,57.002 119.634,56.845 125.136,56.845 125.325,57.034 R10.1@125.4,57.034
OUT3: C05.2 IC1.10 R05.2 R11.1 | length 14.2
  Bottom Layer w0.686: R05.2@112.816,54.683 119.101,54.683 R11.1@127.051,54.683
OUT4: C06.2 IC1.8 R06.2 R12.1 | length 8.4
  Bottom Layer w0.686: R12.1@102.235,54.98 R06.2@102.235,57.226 IC1.8@108.382,57.226
OUT5: C07.2 IC1.7 R07.2 R13.1 | length 8.9
  Bottom Layer w0.686: R13.1@102.235,62.532 R07.2@102.235,59.766 IC1.7@108.382,59.766